# KiCad board panel.kicad_pcb (continued)
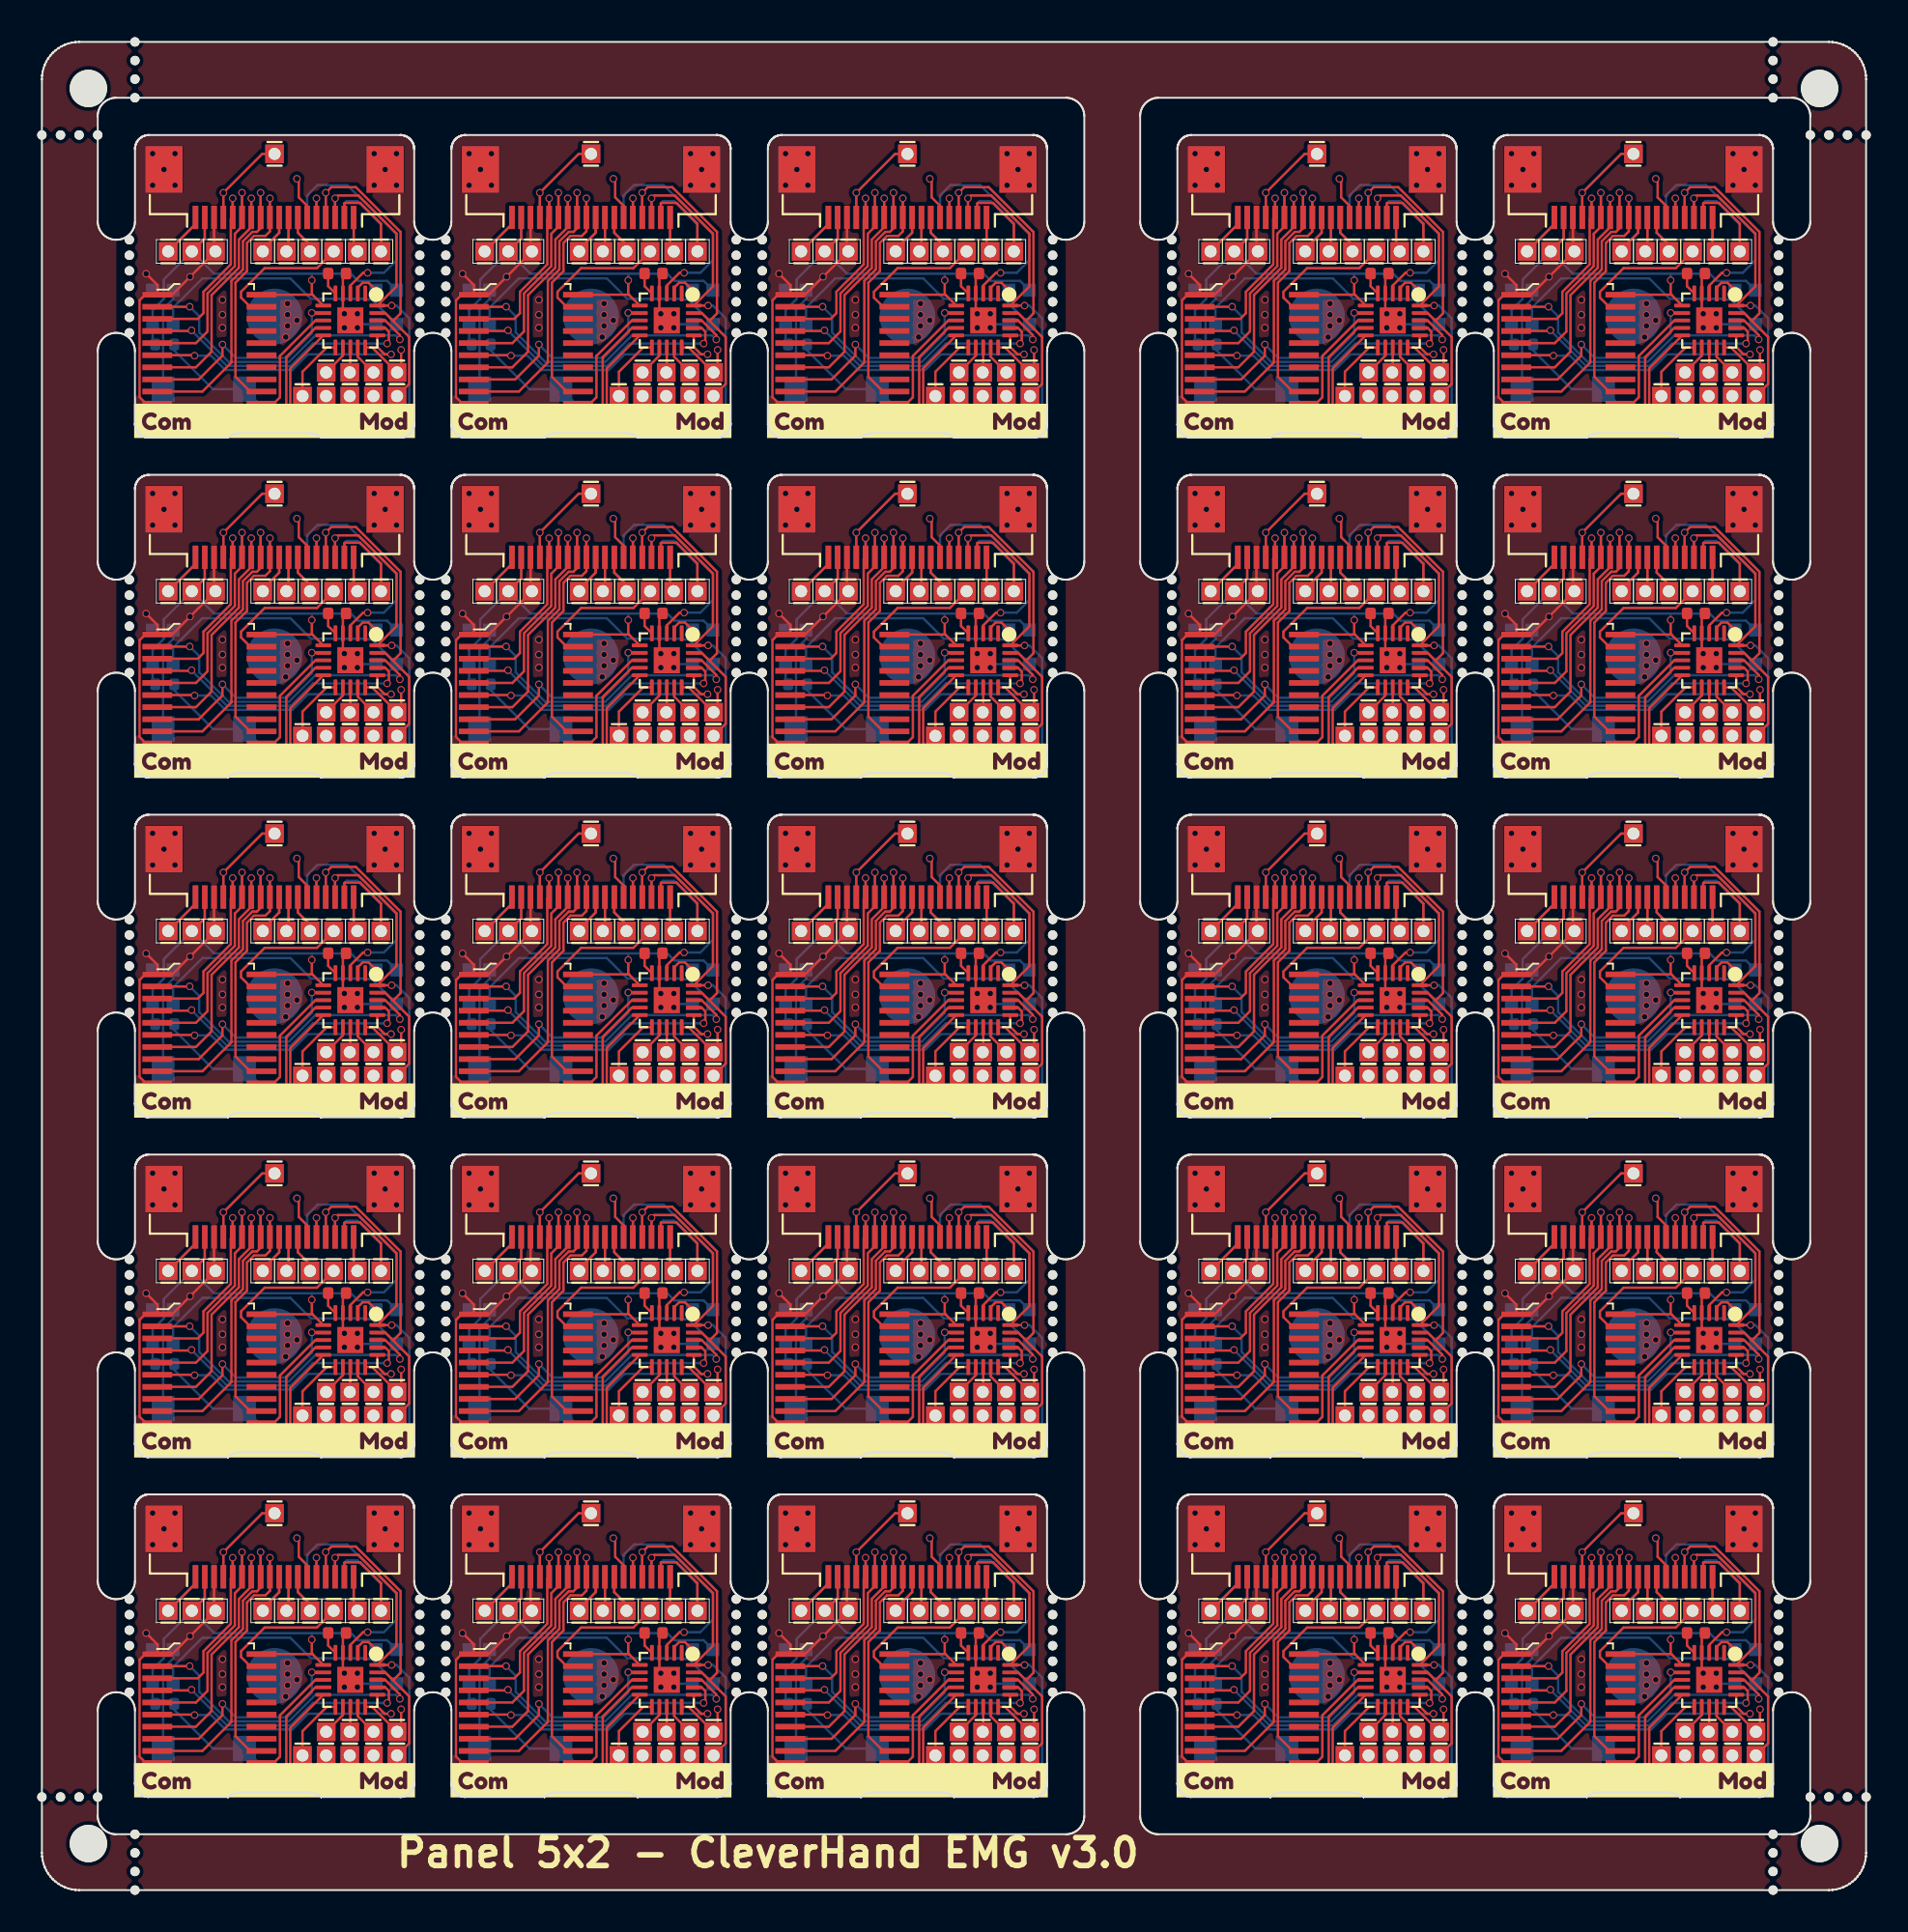
[diagram p0: board, top side]
## Routing (per net, layer and track width the routed paths; a pad name or vN(x,y) marks a point on that pad's centre or on a via; arc(x,y) is an arc through that point) (continued)
Board_9-/addr_mod_4: length 6.5
  Front w0.127: U1#14.8 87.69,66.04 85.79,64.14 85.79,61.92 85.45,61.58 U2#9.11
Board_9-/AIN0: length 3.6
  Front w0.127: U1#14.11 88.3,64.59 87,63.29 J18#23.1
Board_9-/AUX1: length 4.9
  Front w0.127: J10#17.18 81.25,71.22 J19#22.1
  Back w0.127: J10#17.18 81.25,71.22 J19#22.1
Board_9-/AUX2: length 9.4
  Front w0.127: J10#17.2 89.25,72.33 89.28,72.35 90.1,72.35 91.22,71.24 J20#17.1
  Back w0.127: J20#17.1 91.22,71.19 89.96,72.45 89.37,72.45 89.25,72.33 J10#17.2
Board_9-/AUX3: length 6.3
  Front w0.127: J3#2.1 84.84,74.99 v1(82.75,72.9) J10#17.15
  Back w0.127: v1(82.75,72.9) J10#17.15
Board_9-/CSB: length 7.5
  Front w0.127: J8#3.1 87.78,68.85 84.97,68.85 83.7,67.58 83.7,67.27 84.19,66.78 U2#9.19
Board_9-/extRef: length 3.8
  Front w0.127: J9#25.1 89.75,69.95 J10#17.1
  Back w0.127: J10#17.1 89.75,69.95 J9#25.1
Board_9-/GPIO: length 16.9
  Front w0.127: U1#14.10 86.35,63.47 86.35,61.34 86.36,61.33 87.62,61.33 J21#16.1
  Back w0.127: R1#9.2 80.11,64.43 82.19,62.35 SW1#18.1 84.91,61.33 87.62,61.33 J21#16.1
Board_9-/i2C_SCL: length 19.6
  Front w0.127: v1(91.79,66.84) U1#14.20 92.05,67.87 92.05,70.71 90.01,72.75 88.9,72.75 v1(88.75,72.6) J10#17.3
  Back w0.127: v1(91.79,66.84) 92.05,66.84 92.73,66.16 92.73,61.33 91.46,61.33 J16#13.1 ; v1(88.75,72.6) J10#17.3
Board_9-/I2C_SDA: length 18.4
  Front w0.127: J17#24.1 92.73,62.63 92.73,65.15 91.87,66.02 ; J10#17.4 v1(88.25,72.9) 88.55,73.2 89.86,73.2 92.27,70.8 92.27,66.42 91.87,66.02 ; U1#14.19 91.44,66.44 91.87,66.02
  Back w0.127: v1(88.25,72.9) J10#17.4
Board_9-/IO1_in: length 12.2
  Front w0.127: v1(90.5,68.6) 90.25,68.6 89.57,67.92 U1#14.3
  Back w0.127: v1(90.5,68.6) 91.37,68.6 92.05,69.28 92.05,70.66 89.4,73.31 87.81,73.31 87.25,72.75 J4#19.13
Board_9-/IO1_out: length 19.7
  Front w0.127: v1(86.7,73.65) 86.8,73.55 86.8,72.65 87.25,72.2 J10#17.6 ; U1#14.15 90.74,64.59 J11#18.1 92.3,63.47 v1(92.3,64.46)
  In2.Cu w0.127: v1(86.7,73.65) 86.9,73.85 89.65,73.85 92.64,70.86 92.64,64.8 v1(92.3,64.46)
Board_9-/IO2: length 2.1
  Front w0.127: v1(87.75,72.6) J10#17.5
  Back w0.127: J10#17.5 v1(87.75,72.6)
Board_9-/LED_IN: length 1.6
  Front w0.127: U1#14.2 89.97,67.8 90.23,68.07 90.55,68.07 v1(90.95,67.67)
Board_9-/MISO: length 4.4
  Front w0.127: J5#18.1 84.87,69.87 85.75,70.75 J10#17.9
  Back w0.127: J5#18.1 84.87,69.87 85.75,70.75 J10#17.9
Board_9-/MOSI: length 3.7
  Front w0.127: J10#17.8 86.25,69.87 J6#15.1
  Back w0.127: J10#17.8 86.25,69.87 J6#15.1
Board_9-/MOSI_ARM: length 1.4
  Front w0.127: J13#11.1 89.57,63.28 U1#14.13
Board_9-/SCLK: length 4.2
  Front w0.127: J7#15.1 87.41,70.1 86.75,70.75 J10#17.7
  Back w0.127: J10#17.7 86.75,70.75 87.41,70.1 J7#15.1
Board_9-/SCLK_ARM: length 1.7
  Front w0.127: U1#14.12 89.17,64.15 J14#21.1
Board_9-/SPICS_ARM: length 9.3
  Front w0.127: U1#14.9 87.69,65.64 86.13,64.07 86.13,61.25 86.27,61.11 88.67,61.11 J15#7.1
Board_9-/SWDIO/MISO_ARM: length 1.7
  Front w0.127: U1#14.14 89.97,64.09 J12#18.1
Board_9-/Vcap: length 1.2
  Front w0.127: C1#22.2 88.38,67.88 U1#14.5
Board_9-GND: length 27.5
  Front w0.127: C1#22.1 89.17,68.39 U1#14.4 89.17,66.44 89.21,66.4 v1(89.25,66.4) 89.25,66.36 U1#14.21 ; v1(78.6,68.55) 79.2,67.95 U2#9.1 ; U2#9.1 80,67.43 v1(80.96,68.39) J2#3.1 82.25,69.83 J10#17.16 ; U2#9.1 78.55,67.43 78.25,67.12 78.25,61.92 78.59,61.58 U2#9.10
  Back w0.127: J2#3.1 82.25,69.83 J10#17.16 ; SW1#18.2 79.51,66.65 80.05,67.19 LED2#4.2 80.24,67.67 v1(80.96,68.39) ; LED1#15.2 90.13,65.84 v1(89.95,65.65) 89.76,65.84 89.66,65.84
  vias: v1(78.95,75) v1(78.95,73.3) v1(79.56,74.15) v1(80.15,75) v1(80.15,73.3) v1(82.7,67.15) v1(82.7,66.35) v1(82.7,65.65) v1(86.1,65.15) v1(86.2,66.95) v1(86.2,66.35) v1(86.2,65.75) v1(86.7,66.05) v1(89.25,65.65) v1(89.95,66.4) v1(90.85,75) v1(90.85,73.3) v1(91.44,74.15) v1(92.05,75) v1(92.05,73.3)
Board_9-Net-(LED1-DO): length 14.6
  Back w0.127: LED2#4.3 80.05,66.73 81.62,68.3 86.35,68.3 87.45,67.2 90.45,67.2 90.48,67.16 90.72,67.16 LED1#15.1
Board_10-+3.3V: length 26.7
  Front w0.127: J1#24.1 8.75,52.2 J10#7.17 ; 14.55,49.16 14.53,49.18 U2#21.20 ; 14.55,49.16 U1#13.6 ; 14.55,49.16 14.5,49.21 v1(14.5,49.95)
  Back w0.127: R1#23.1 5.95,46.64 LED2#9.4 5.95,48.35 6.55,48.95 6.55,49.99 J1#24.1 ; J10#7.17 8.75,52.2 J1#24.1 ; J1#24.1 9.26,50.3 14.5,50.3 ; 14.5,50.3 16.6,50.3 16.98,49.92 18.55,49.92 LED1#11.4 ; 14.5,50.3 v1(14.5,49.95)
Board_10-/addr_bus_0: length 10.5
  Front w0.127: v1(10.25,54.35) J10#7.14 10.15,53.23 10.15,50.8 8.68,49.33 8.68,48.18 8.37,47.88 U2#21.3
  Back w0.127: J10#7.14 v1(10.25,54.35)
Board_10-/addr_bus_1: length 12.5
  Front w0.127: U2#21.5 8.27,46.58 8.9,47.2 8.9,49.24 10.37,50.71 10.37,52.45 10.75,52.83 J10#7.13 v1(10.75,54.65)
  Back w0.127: J10#7.13 v1(10.75,54.65)
Board_10-/addr_bus_2: length 13.4
  Front w0.127: U2#21.7 8.27,45.28 9.12,46.12 9.12,49.15 10.58,50.62 10.58,52.13 11.25,52.8 J10#7.12 v1(11.25,54.35)
  Back w0.127: J10#7.12 v1(11.25,54.35)
Board_10-/addr_bus_3: length 15.9
  Front w0.127: U2#21.9 8.62,43.98 10.18,45.53 10.18,49.91 10.8,50.53 10.8,52.04 11.3,52.55 11.55,52.55 11.75,52.74 J10#7.11 v1(11.75,54.65)
  Back w0.127: J10#7.11 v1(11.75,54.65)
Board_10-/addr_bus_4: length 13.5
  Front w0.127: U2#21.12 11.19,43.98 10.4,44.77 10.4,49.82 11.02,50.44 11.02,51.95 11.39,52.33 12.01,52.33 12.25,52.57 J10#7.10 v1(12.25,54.35)
  Back w0.127: J10#7.10 v1(12.25,54.35)
Board_10-/addr_mod_0: length 17.2
  Front w0.127: v1(7.94,48.53) 7.93,48.53 U2#21.2 ; v1(19.23,46.77) 19.23,47.01 18.44,47.79 U1#13.18
  Back w0.127: v1(19.23,46.77) 19.01,46.99 14.69,46.99 13.27,45.56 10.04,45.56 8.45,47.15 8.45,48.02 v1(7.94,48.53)
Board_10-/addr_mod_1: length 15
  Front w0.127: v1(18.55,46.55) 18.55,46.61 18.64,46.7 18.64,47.2 18.44,47.39 U1#13.17 ; v1(8.04,47.26) 8,47.23 U2#21.4
  Back w0.127: v1(8.04,47.26) 8.04,47.25 9.95,45.35 13.36,45.35 14.56,46.55 v1(18.55,46.55)
Board_10-/addr_mod_2: length 14.8
  Front w0.127: v1(8.2,45.9) 8.17,45.93 U2#21.6 ; v1(18.76,45.97) 18.42,45.97 18.02,46.37 U1#13.16
  Back w0.127: v1(18.76,45.97) 14.29,45.97 13.45,45.13 9.86,45.13 9.09,45.9 v1(8.2,45.9)
Board_10-/addr_mod_3: length 12
  Front w0.127: v1(9.7,46.5) 9.7,45.9 8.42,44.63 U2#21.8 ; U1#13.7 14.69,48.19 14.68,48.2 v1(14.5,48.2)
  Back w0.127: v1(14.5,48.2) 14.5,47.1 13.18,45.78 10.42,45.78 v1(9.7,46.5)
Board_10-/addr_mod_4: length 6.5
  Front w0.127: U1#13.8 14.69,47.79 12.79,45.89 12.79,43.67 12.45,43.33 U2#21.11
Board_10-/AIN0: length 3.6
  Front w0.127: U1#13.11 15.3,46.34 14,45.04 J18#11.1
Board_10-/AUX1: length 4.9
  Front w0.127: J10#7.18 8.25,52.97 J19#20.1
  Back w0.127: J19#20.1 8.25,52.97 J10#7.18
Board_10-/AUX2: length 9.4
  Front w0.127: J10#7.2 16.25,54.08 16.28,54.1 17.1,54.1 18.21,52.99 J20#25.1
  Back w0.127: J10#7.2 16.25,54.08 16.37,54.2 16.96,54.2 18.21,52.94 J20#25.1
Board_10-/AUX3: length 6.3
  Front w0.127: J3#9.1 11.84,56.74 v1(9.75,54.65) J10#7.15
  Back w0.127: v1(9.75,54.65) J10#7.15
Board_10-/CSB: length 7.5
  Front w0.127: J8#17.1 14.77,50.6 11.97,50.6 10.7,49.33 10.7,49.02 11.19,48.53 U2#21.19
Board_10-/extRef: length 3.8
  Front w0.127: J10#7.1 16.75,51.7 J9#4.1
  Back w0.127: J9#4.1 16.75,51.7 J10#7.1
Board_10-/GPIO: length 16.9
  Front w0.127: J21#9.1 14.62,43.08 13.36,43.08 13.35,43.09 13.35,45.22 U1#13.10
  Back w0.127: R1#23.2 7.11,46.18 9.19,44.1 SW1.1 11.91,43.08 14.62,43.08 J21#9.1
Board_10-/i2C_SCL: length 19.6
  Front w0.127: J10#7.3 v1(15.75,54.35) 15.9,54.5 17.01,54.5 19.05,52.46 19.05,49.62 U1#13.20 v1(18.79,48.59)
  Back w0.127: J16.1 18.46,43.08 19.73,43.08 19.73,47.91 19.05,48.59 v1(18.79,48.59) ; v1(15.75,54.35) J10#7.3
Board_10-/I2C_SDA: length 18.4
  Front w0.127: 18.87,47.77 19.27,48.17 19.27,52.55 16.86,54.95 15.55,54.95 v1(15.25,54.65) J10#7.4 ; 18.87,47.77 19.73,46.9 19.73,44.38 J17#3.1 ; 18.87,47.77 18.44,48.19 U1#13.19
  Back w0.127: v1(15.25,54.65) J10#7.4
Board_10-/IO1_in: length 12.2
  Front w0.127: U1#13.3 16.57,49.67 17.25,50.35 v1(17.5,50.35)
  Back w0.127: v1(17.5,50.35) 18.37,50.35 19.05,51.03 19.05,52.41 16.4,55.06 14.81,55.06 14.25,54.5 J4#20.13
Board_10-/IO1_out: length 19.7
  Front w0.127: J10#7.6 14.25,53.95 13.8,54.4 13.8,55.3 v1(13.7,55.4) ; U1#13.15 17.74,46.34 J11#12.1 19.3,45.22 v1(19.3,46.21)
  In2.Cu w0.127: v1(19.3,46.21) 19.64,46.55 19.64,52.61 16.65,55.6 13.9,55.6 v1(13.7,55.4)
Board_10-/IO2: length 2.1
  Front w0.127: v1(14.75,54.35) J10#7.5
  Back w0.127: J10#7.5 v1(14.75,54.35)
Board_10-/LED_IN: length 1.6
  Front w0.127: v1(17.95,49.42) 17.55,49.82 17.23,49.82 16.97,49.55 U1#13.2
Board_10-/MISO: length 4.4
  Front w0.127: J10#7.9 12.75,52.5 11.87,51.62 J5#16.1
  Back w0.127: J5#16.1 11.87,51.62 12.75,52.5 J10#7.9
Board_10-/MOSI: length 3.7
  Front w0.127: J6#24.1 13.25,51.62 J10#7.8
  Back w0.127: J10#7.8 13.25,51.62 J6#24.1
Board_10-/MOSI_ARM: length 1.4
  Front w0.127: U1#13.13 16.57,45.03 J13#10.1
Board_10-/SCLK: length 4.2
  Front w0.127: J7#17.1 14.41,51.85 13.75,52.5 J10#7.7
  Back w0.127: J10#7.7 13.75,52.5 14.41,51.85 J7#17.1
Board_10-/SCLK_ARM: length 1.7
  Front w0.127: J14#20.1 16.17,45.9 U1#13.12
Board_10-/SPICS_ARM: length 9.3
  Front w0.127: U1#13.9 14.69,47.39 13.13,45.82 13.13,43 13.27,42.86 15.67,42.86 J15#22.1
Board_10-/SWDIO/MISO_ARM: length 1.7
  Front w0.127: U1#13.14 16.97,45.84 J12#16.1
Board_10-/Vcap: length 1.2
  Front w0.127: U1#13.5 15.38,49.63 C1#9.2
Board_10-GND: length 27.5
  Front w0.127: U2#21.1 5.55,49.18 5.25,48.87 5.25,43.67 5.59,43.33 U2#21.10 ; U2#21.1 7,49.18 v1(7.96,50.14) J2#6.1 9.25,51.58 J10#7.16 ; U2#21.1 6.2,49.7 v1(5.6,50.3) ; C1#9.1 16.17,50.14 U1#13.4 16.17,48.19 16.21,48.15 v1(16.25,48.15) 16.25,48.11 U1#13.21
  Back w0.127: J10#7.16 9.25,51.58 J2#6.1 ; SW1.2 6.51,48.4 7.05,48.94 LED2#9.2 7.24,49.42 v1(7.96,50.14) ; 16.66,47.59 16.76,47.59 v1(16.95,47.4) 17.13,47.59 LED1#11.2
  vias: v1(5.95,56.75) v1(5.95,55.05) v1(6.56,55.9) v1(7.15,56.75) v1(7.15,55.05) v1(9.7,48.9) v1(9.7,48.1) v1(9.7,47.4) v1(13.1,46.9) v1(13.2,48.7) v1(13.2,48.1) v1(13.2,47.5) v1(13.7,47.8) v1(16.25,47.4) v1(16.95,48.15) v1(17.85,56.75) v1(17.85,55.05) v1(18.44,55.9) v1(19.05,56.75) v1(19.05,55.05)
Board_10-Net-(LED1-DO): length 14.6
  Back w0.127: LED1#11.1 17.72,48.91 17.48,48.91 17.45,48.95 14.45,48.95 13.35,50.05 8.62,50.05 7.05,48.48 LED2#9.3
Board_11-+3.3V: length 26.7
  Front w0.127: v1(31.5,49.95) 31.5,49.21 31.55,49.16 ; U1#7.6 31.55,49.16 ; 31.55,49.16 31.53,49.18 U2#20.20 ; J10#19.17 25.75,52.2 J1#18.1
  Back w0.127: LED1#12.4 35.55,49.92 33.98,49.92 33.6,50.3 31.5,50.3 ; 31.5,50.3 26.25,50.3 J1#18.1 ; 31.5,50.3 v1(31.5,49.95) ; J1#18.1 25.75,52.2 J10#19.17 ; J1#18.1 23.55,49.99 23.55,48.95 22.95,48.35 LED2#5.4 22.95,46.64 R1#6.1
Board_11-/addr_bus_0: length 10.5
  Front w0.127: U2#20.3 25.37,47.88 25.68,48.18 25.68,49.33 27.15,50.8 27.15,53.23 J10#19.14 v1(27.25,54.35)
  Back w0.127: J10#19.14 v1(27.25,54.35)
Board_11-/addr_bus_1: length 12.5
  Front w0.127: U2#20.5 25.27,46.58 25.9,47.2 25.9,49.24 27.37,50.71 27.37,52.45 27.75,52.83 J10#19.13 v1(27.75,54.65)
  Back w0.127: J10#19.13 v1(27.75,54.65)
Board_11-/addr_bus_2: length 13.4
  Front w0.127: v1(28.25,54.35) J10#19.12 28.25,52.8 27.58,52.13 27.58,50.62 26.12,49.15 26.12,46.12 25.27,45.28 U2#20.7
  Back w0.127: J10#19.12 v1(28.25,54.35)
Board_11-/addr_bus_3: length 15.9
  Front w0.127: U2#20.9 25.62,43.98 27.18,45.53 27.18,49.91 27.8,50.53 27.8,52.04 28.3,52.55 28.55,52.55 28.75,52.74 J10#19.11 v1(28.75,54.65)
  Back w0.127: J10#19.11 v1(28.75,54.65)
Board_11-/addr_bus_4: length 13.5
  Front w0.127: v1(29.25,54.35) J10#19.10 29.25,52.57 29.01,52.33 28.39,52.33 28.02,51.95 28.02,50.44 27.4,49.82 27.4,44.77 28.19,43.98 U2#20.12
  Back w0.127: J10#19.10 v1(29.25,54.35)
Board_11-/addr_mod_0: length 17.2
  Front w0.127: v1(24.94,48.53) 24.93,48.53 U2#20.2 ; v1(36.23,46.77) 36.23,47.01 35.44,47.79 U1#7.18
  Back w0.127: v1(36.23,46.77) 36.01,46.99 31.69,46.99 30.27,45.56 27.04,45.56 25.45,47.15 25.45,48.02 v1(24.94,48.53)
Board_11-/addr_mod_1: length 15
  Front w0.127: U1#7.17 35.44,47.39 35.64,47.2 35.64,46.7 35.55,46.61 v1(35.55,46.55) ; U2#20.4 25,47.23 v1(25.04,47.26)
  Back w0.127: v1(35.55,46.55) 31.56,46.55 30.36,45.35 26.95,45.35 25.04,47.25 v1(25.04,47.26)
Board_11-/addr_mod_2: length 14.8
  Front w0.127: U1#7.16 35.02,46.37 35.42,45.97 v1(35.76,45.97) ; U2#20.6 25.17,45.93 v1(25.2,45.9)
  Back w0.127: v1(35.76,45.97) 31.29,45.97 30.45,45.13 26.86,45.13 26.09,45.9 v1(25.2,45.9)
Board_11-/addr_mod_3: length 12
  Front w0.127: v1(31.5,48.2) 31.68,48.2 31.69,48.19 U1#7.7 ; v1(26.7,46.5) 26.7,45.9 25.42,44.63 U2#20.8
  Back w0.127: v1(26.7,46.5) 27.42,45.78 30.18,45.78 31.5,47.1 v1(31.5,48.2)
Board_11-/addr_mod_4: length 6.5
  Front w0.127: U1#7.8 31.69,47.79 29.79,45.89 29.79,43.67 29.45,43.33 U2#20.11
Board_11-/AIN0: length 3.6
  Front w0.127: U1#7.11 32.3,46.34 31,45.04 J18#25.1
Board_11-/AUX1: length 4.9
  Front w0.127: J19#11.1 25.25,52.97 J10#19.18
  Back w0.127: J19#11.1 25.25,52.97 J10#19.18
Board_11-/AUX2: length 9.4
  Front w0.127: J20#2.1 35.22,52.99 34.1,54.1 33.28,54.1 33.25,54.08 J10#19.2
  Back w0.127: J20#2.1 35.22,52.94 33.96,54.2 33.37,54.2 33.25,54.08 J10#19.2
Board_11-/AUX3: length 6.3
  Front w0.127: J3#18.1 28.84,56.74 v1(26.75,54.65) J10#19.15
  Back w0.127: v1(26.75,54.65) J10#19.15
Board_11-/CSB: length 7.5
  Front w0.127: U2#20.19 28.19,48.53 27.7,49.02 27.7,49.33 28.97,50.6 31.77,50.6 J8.1
Board_11-/extRef: length 3.8
  Front w0.127: J9#7.1 33.75,51.7 J10#19.1
  Back w0.127: J9#7.1 33.75,51.7 J10#19.1
Board_11-/GPIO: length 16.9
  Front w0.127: J21#25.1 31.62,43.08 30.36,43.08 30.35,43.09 30.35,45.22 U1#7.10
  Back w0.127: R1#6.2 24.11,46.18 26.19,44.1 SW1#20.1 28.91,43.08 31.62,43.08 J21#25.1
Board_11-/i2C_SCL: length 19.6
  Front w0.127: v1(35.79,48.59) U1#7.20 36.05,49.62 36.05,52.46 34.01,54.5 32.9,54.5 v1(32.75,54.35) J10#19.3
  Back w0.127: v1(35.79,48.59) 36.05,48.59 36.73,47.91 36.73,43.08 35.46,43.08 J16#21.1 ; v1(32.75,54.35) J10#19.3
Board_11-/I2C_SDA: length 18.4
  Front w0.127: J17#6.1 36.73,44.38 36.73,46.9 35.87,47.77 ; 35.87,47.77 35.44,48.19 U1#7.19 ; 35.87,47.77 36.27,48.17 36.27,52.55 33.86,54.95 32.55,54.95 v1(32.25,54.65) J10#19.4
  Back w0.127: v1(32.25,54.65) J10#19.4
Board_11-/IO1_in: length 12.2
  Front w0.127: U1#7.3 33.57,49.67 34.25,50.35 v1(34.5,50.35)
  Back w0.127: v1(34.5,50.35) 35.37,50.35 36.05,51.03 36.05,52.41 33.4,55.06 31.81,55.06 31.25,54.5 J4#9.13
Board_11-/IO1_out: length 19.7
  Front w0.127: U1#7.15 34.74,46.34 J11#3.1 36.3,45.22 v1(36.3,46.21) ; v1(30.7,55.4) 30.8,55.3 30.8,54.4 31.25,53.95 J10#19.6
  In2.Cu w0.127: v1(30.7,55.4) 30.9,55.6 33.65,55.6 36.64,52.61 36.64,46.55 v1(36.3,46.21)
Board_11-/IO2: length 2.1
  Front w0.127: v1(31.75,54.35) J10#19.5
  Back w0.127: J10#19.5 v1(31.75,54.35)
Board_11-/LED_IN: length 1.6
  Front w0.127: U1#7.2 33.97,49.55 34.23,49.82 34.55,49.82 v1(34.95,49.42)
Board_11-/MISO: length 4.4
  Front w0.127: J10#19.9 29.75,52.5 28.86,51.62 J5#11.1
  Back w0.127: J10#19.9 29.75,52.5 28.86,51.62 J5#11.1
Board_11-/MOSI: length 3.7
  Front w0.127: J6.1 30.25,51.62 J10#19.8
  Back w0.127: J6.1 30.25,51.62 J10#19.8
Board_11-/MOSI_ARM: length 1.4
  Front w0.127: J13#19.1 33.57,45.03 U1#7.13
Board_11-/SCLK: length 4.2
  Front w0.127: J7#19.1 31.41,51.85 30.75,52.5 J10#19.7
  Back w0.127: J10#19.7 30.75,52.5 31.41,51.85 J7#19.1
Board_11-/SCLK_ARM: length 1.7
  Front w0.127: J14#23.1 33.17,45.9 U1#7.12
Board_11-/SPICS_ARM: length 9.3
  Front w0.127: J15#16.1 32.67,42.86 30.27,42.86 30.13,43 30.13,45.82 31.69,47.39 U1#7.9
Board_11-/SWDIO/MISO_ARM: length 1.7
  Front w0.127: J12#13.1 33.97,45.84 U1#7.14
Board_11-/Vcap: length 1.2
  Front w0.127: U1#7.5 32.38,49.63 C1#13.2
Board_11-GND: length 27.5
  Front w0.127: J10#19.16 26.25,51.58 J2#22.1 v1(24.96,50.14) 24,49.18 U2#20.1 ; C1#13.1 33.17,50.14 U1#7.4 33.17,48.19 33.21,48.15 v1(33.25,48.15) 33.25,48.11 U1#7.21 ; v1(22.6,50.3) 23.2,49.7 U2#20.1 ; U2#20.1 22.55,49.18 22.25,48.87 22.25,43.67 22.59,43.33 U2#20.10
  Back w0.127: LED1#12.2 34.13,47.59 v1(33.95,47.4) 33.76,47.59 33.66,47.59 ; v1(24.96,50.14) 24.24,49.42 LED2#5.2 24.05,48.94 23.51,48.4 SW1#20.2 ; J2#22.1 26.25,51.58 J10#19.16
  vias: v1(22.95,56.75) v1(22.95,55.05) v1(23.56,55.9) v1(24.15,56.75) v1(24.15,55.05) v1(26.7,48.9) v1(26.7,48.1) v1(26.7,47.4) v1(30.1,46.9) v1(30.2,48.7) v1(30.2,48.1) v1(30.2,47.5) v1(30.7,47.8) v1(33.25,47.4) v1(33.95,48.15) v1(34.85,56.75) v1(34.85,55.05) v1(35.44,55.9) v1(36.05,56.75) v1(36.05,55.05)
Board_11-Net-(LED1-DO): length 14.6
  Back w0.127: LED1#12.1 34.72,48.91 34.48,48.91 34.45,48.95 31.45,48.95 30.35,50.05 25.62,50.05 24.05,48.48 LED2#5.3
Board_12-+3.3V: length 26.7
  Front w0.127: 48.55,49.16 48.5,49.21 v1(48.5,49.95) ; 48.55,49.16 U1#25.6 ; 48.55,49.16 48.53,49.18 U2#22.20 ; J10#12.17 42.75,52.2 J1#16.1
  Back w0.127: J1#16.1 40.55,49.99 40.55,48.95 39.95,48.35 LED2#21.4 39.95,46.64 R1#16.1 ; J1#16.1 42.75,52.2 J10#12.17 ; J1#16.1 43.26,50.3 48.5,50.3 ; 48.5,50.3 50.6,50.3 50.98,49.92 52.55,49.92 LED1#5.4 ; 48.5,50.3 v1(48.5,49.95)
Board_12-/addr_bus_0: length 10.5
  Front w0.127: v1(44.25,54.35) J10#12.14 44.15,53.23 44.15,50.8 42.68,49.33 42.68,48.18 42.37,47.88 U2#22.3
  Back w0.127: J10#12.14 v1(44.25,54.35)
Board_12-/addr_bus_1: length 12.5
  Front w0.127: v1(44.75,54.65) J10#12.13 44.75,52.83 44.37,52.45 44.37,50.71 42.9,49.24 42.9,47.2 42.27,46.58 U2#22.5
  Back w0.127: J10#12.13 v1(44.75,54.65)
Board_12-/addr_bus_2: length 13.4
  Front w0.127: U2#22.7 42.27,45.28 43.12,46.12 43.12,49.15 44.58,50.62 44.58,52.13 45.25,52.8 J10#12.12 v1(45.25,54.35)
  Back w0.127: J10#12.12 v1(45.25,54.35)
Board_12-/addr_bus_3: length 15.9
  Front w0.127: v1(45.75,54.65) J10#12.11 45.75,52.74 45.55,52.55 45.3,52.55 44.8,52.04 44.8,50.53 44.18,49.91 44.18,45.53 42.62,43.98 U2#22.9
  Back w0.127: J10#12.11 v1(45.75,54.65)
Board_12-/addr_bus_4: length 13.5
  Front w0.127: v1(46.25,54.35) J10#12.10 46.25,52.57 46.01,52.33 45.39,52.33 45.02,51.95 45.02,50.44 44.4,49.82 44.4,44.77 45.19,43.98 U2#22.12
  Back w0.127: J10#12.10 v1(46.25,54.35)
Board_12-/addr_mod_0: length 17.2
  Front w0.127: U2#22.2 41.93,48.53 v1(41.94,48.53) ; U1#25.18 52.44,47.79 53.23,47.01 v1(53.23,46.77)
  Back w0.127: v1(41.94,48.53) 42.45,48.02 42.45,47.15 44.04,45.56 47.27,45.56 48.69,46.99 53.01,46.99 v1(53.23,46.77)
Board_12-/addr_mod_1: length 15
  Front w0.127: v1(52.55,46.55) 52.55,46.61 52.64,46.7 52.64,47.2 52.44,47.39 U1#25.17 ; v1(42.04,47.26) 42,47.23 U2#22.4
  Back w0.127: v1(42.04,47.26) 42.04,47.25 43.95,45.35 47.36,45.35 48.56,46.55 v1(52.55,46.55)
Board_12-/addr_mod_2: length 14.8
  Front w0.127: v1(42.2,45.9) 42.17,45.93 U2#22.6 ; U1#25.16 52.02,46.37 52.42,45.97 v1(52.76,45.97)
  Back w0.127: v1(42.2,45.9) 43.09,45.9 43.86,45.13 47.45,45.13 48.29,45.97 v1(52.76,45.97)
Board_12-/addr_mod_3: length 12
  Front w0.127: U1#25.7 48.69,48.19 48.68,48.2 v1(48.5,48.2) ; v1(43.7,46.5) 43.7,45.9 42.42,44.63 U2#22.8
  Back w0.127: v1(43.7,46.5) 44.42,45.78 47.18,45.78 48.5,47.1 v1(48.5,48.2)
Board_12-/addr_mod_4: length 6.5
  Front w0.127: U2#22.11 46.45,43.33 46.79,43.67 46.79,45.89 48.69,47.79 U1#25.8
Board_12-/AIN0: length 3.6
  Front w0.127: U1#25.11 49.3,46.34 48,45.04 J18#3.1
Board_12-/AUX1: length 4.9
  Front w0.127: J19#9.1 42.25,52.97 J10#12.18
  Back w0.127: J10#12.18 42.25,52.97 J19#9.1
Board_12-/AUX2: length 9.4
  Front w0.127: J10#12.2 50.25,54.08 50.28,54.1 51.1,54.1 52.22,52.99 J20#8.1
  Back w0.127: J10#12.2 50.25,54.08 50.37,54.2 50.96,54.2 52.22,52.94 J20#8.1
Board_12-/AUX3: length 6.3
  Front w0.127: J10#12.15 v1(43.75,54.65) 45.84,56.74 J3#15.1
  Back w0.127: v1(43.75,54.65) J10#12.15
Board_12-/CSB: length 7.5
  Front w0.127: U2#22.19 45.19,48.53 44.7,49.02 44.7,49.33 45.97,50.6 48.77,50.6 J8#13.1
Board_12-/extRef: length 3.8
  Front w0.127: J9#6.1 50.75,51.7 J10#12.1
  Back w0.127: J9#6.1 50.75,51.7 J10#12.1
Board_12-/GPIO: length 16.9
  Front w0.127: J21#21.1 48.62,43.08 47.36,43.08 47.35,43.09 47.35,45.22 U1#25.10
  Back w0.127: J21#21.1 48.62,43.08 45.91,43.08 SW1#11.1 43.19,44.1 41.11,46.18 R1#16.2
Board_12-/i2C_SCL: length 19.6
  Front w0.127: v1(52.79,48.59) U1#25.20 53.05,49.62 53.05,52.46 51.01,54.5 49.9,54.5 v1(49.75,54.35) J10#12.3
  Back w0.127: v1(49.75,54.35) J10#12.3 ; J16#3.1 52.46,43.08 53.73,43.08 53.73,47.91 53.05,48.59 v1(52.79,48.59)
Board_12-/I2C_SDA: length 18.4
  Front w0.127: 52.87,47.77 53.73,46.9 53.73,44.38 J17#7.1 ; 52.87,47.77 52.44,48.19 U1#25.19 ; 52.87,47.77 53.27,48.17 53.27,52.55 50.86,54.95 49.55,54.95 v1(49.25,54.65) J10#12.4
  Back w0.127: v1(49.25,54.65) J10#12.4
Board_12-/IO1_in: length 12.2
  Front w0.127: U1#25.3 50.57,49.67 51.25,50.35 v1(51.5,50.35)
  Back w0.127: v1(51.5,50.35) 52.37,50.35 53.05,51.03 53.05,52.41 50.4,55.06 48.81,55.06 48.25,54.5 J4#7.13
Board_12-/IO1_out: length 19.7
  Front w0.127: U1#25.15 51.74,46.34 J11#14.1 53.3,45.22 v1(53.3,46.21) ; J10#12.6 48.25,53.95 47.8,54.4 47.8,55.3 v1(47.7,55.4)
  In2.Cu w0.127: v1(47.7,55.4) 47.9,55.6 50.65,55.6 53.64,52.61 53.64,46.55 v1(53.3,46.21)
Board_12-/IO2: length 2.1
  Front w0.127: v1(48.75,54.35) J10#12.5
  Back w0.127: J10#12.5 v1(48.75,54.35)
Board_12-/LED_IN: length 1.6
  Front w0.127: v1(51.95,49.42) 51.55,49.82 51.23,49.82 50.97,49.55 U1#25.2
Board_12-/MISO: length 4.4
  Front w0.127: J10#12.9 46.75,52.5 45.87,51.62 J5.1
  Back w0.127: J10#12.9 46.75,52.5 45.87,51.62 J5.1
Board_12-/MOSI: length 3.7
  Front w0.127: J10#12.8 47.25,51.62 J6#11.1
  Back w0.127: J6#11.1 47.25,51.62 J10#12.8
Board_12-/MOSI_ARM: length 1.4
  Front w0.127: J13#15.1 50.57,45.03 U1#25.13
Board_12-/SCLK: length 4.2
  Front w0.127: J7#13.1 48.41,51.85 47.75,52.5 J10#12.7
  Back w0.127: J10#12.7 47.75,52.5 48.41,51.85 J7#13.1
Board_12-/SCLK_ARM: length 1.7
  Front w0.127: U1#25.12 50.17,45.9 J14#16.1
Board_12-/SPICS_ARM: length 9.3
  Front w0.127: U1#25.9 48.69,47.39 47.13,45.82 47.13,43 47.27,42.86 49.67,42.86 J15#13.1
Board_12-/SWDIO/MISO_ARM: length 1.7
  Front w0.127: U1#25.14 50.97,45.84 J12#14.1
Board_12-/Vcap: length 1.2
  Front w0.127: U1#25.5 49.38,49.63 C1#5.2
Board_12-GND: length 27.5
  Front w0.127: U2#22.10 39.59,43.33 39.25,43.67 39.25,48.87 39.55,49.18 U2#22.1 ; v1(39.6,50.3) 40.2,49.7 U2#22.1 ; U2#22.1 41,49.18 v1(41.96,50.14) J2#11.1 43.25,51.58 J10#12.16 ; C1#5.1 50.17,50.14 U1#25.4 50.17,48.19 50.21,48.15 v1(50.25,48.15) 50.25,48.11 U1#25.21
  Back w0.127: v1(41.96,50.14) 41.24,49.42 LED2#21.2 41.05,48.94 40.51,48.4 SW1#11.2 ; J10#12.16 43.25,51.58 J2#11.1 ; 50.66,47.59 50.76,47.59 v1(50.95,47.4) 51.13,47.59 LED1#5.2
  vias: v1(39.95,56.75) v1(39.95,55.05) v1(40.56,55.9) v1(41.15,56.75) v1(41.15,55.05) v1(43.7,48.9) v1(43.7,48.1) v1(43.7,47.4) v1(47.1,46.9) v1(47.2,48.7) v1(47.2,48.1) v1(47.2,47.5) v1(47.7,47.8) v1(50.25,47.4) v1(50.95,48.15) v1(51.85,56.75) v1(51.85,55.05) v1(52.44,55.9) v1(53.05,56.75) v1(53.05,55.05)
Board_12-Net-(LED1-DO): length 14.6
  Back w0.127: LED1#5.1 51.72,48.91 51.48,48.91 51.45,48.95 48.45,48.95 47.35,50.05 42.62,50.05 41.05,48.48 LED2#21.3
Board_13-+3.3V: length 26.7
  Front w0.127: 70.55,49.16 70.5,49.21 v1(70.5,49.95) ; 70.55,49.16 70.53,49.18 U2#3.20 ; 70.55,49.16 U1#6.6 ; J10#9.17 64.75,52.2 J1#10.1
  Back w0.127: 70.5,50.3 65.25,50.3 J1#10.1 ; 70.5,50.3 v1(70.5,49.95) ; 70.5,50.3 72.6,50.3 72.98,49.92 74.55,49.92 LED1#8.4 ; R1#25.1 61.95,46.64 LED2#20.4 61.95,48.35 62.55,48.95 62.55,49.99 J1#10.1 ; J1#10.1 64.75,52.2 J10#9.17
Board_13-/addr_bus_0: length 10.5
  Front w0.127: U2#3.3 64.37,47.88 64.68,48.18 64.68,49.33 66.15,50.8 66.15,53.23 J10#9.14 v1(66.25,54.35)
  Back w0.127: J10#9.14 v1(66.25,54.35)
Board_13-/addr_bus_1: length 12.5
  Front w0.127: U2#3.5 64.27,46.58 64.9,47.2 64.9,49.24 66.37,50.71 66.37,52.45 66.75,52.83 J10#9.13 v1(66.75,54.65)
  Back w0.127: J10#9.13 v1(66.75,54.65)
Board_13-/addr_bus_2: length 13.4
  Front w0.127: U2#3.7 64.27,45.28 65.12,46.12 65.12,49.15 66.58,50.62 66.58,52.13 67.25,52.8 J10#9.12 v1(67.25,54.35)
  Back w0.127: J10#9.12 v1(67.25,54.35)
Board_13-/addr_bus_3: length 15.9
  Front w0.127: U2#3.9 64.62,43.98 66.18,45.53 66.18,49.91 66.8,50.53 66.8,52.04 67.3,52.55 67.55,52.55 67.75,52.74 J10#9.11 v1(67.75,54.65)
  Back w0.127: J10#9.11 v1(67.75,54.65)
Board_13-/addr_bus_4: length 13.5
  Front w0.127: U2#3.12 67.19,43.98 66.4,44.77 66.4,49.82 67.02,50.44 67.02,51.95 67.39,52.33 68.01,52.33 68.25,52.57 J10#9.10 v1(68.25,54.35)
  Back w0.127: J10#9.10 v1(68.25,54.35)
Board_13-/addr_mod_0: length 17.2
  Front w0.127: v1(63.94,48.53) 63.93,48.53 U2#3.2 ; v1(75.23,46.77) 75.23,47.01 74.44,47.79 U1#6.18
  Back w0.127: v1(75.23,46.77) 75.01,46.99 70.69,46.99 69.27,45.56 66.04,45.56 64.45,47.15 64.45,48.02 v1(63.94,48.53)
Board_13-/addr_mod_1: length 15
  Front w0.127: U2#3.4 64,47.23 v1(64.04,47.26) ; U1#6.17 74.44,47.39 74.64,47.2 74.64,46.7 74.55,46.61 v1(74.55,46.55)
  Back w0.127: v1(64.04,47.26) 64.04,47.25 65.95,45.35 69.36,45.35 70.56,46.55 v1(74.55,46.55)
Board_13-/addr_mod_2: length 14.8
  Front w0.127: v1(64.2,45.9) 64.17,45.93 U2#3.6 ; U1#6.16 74.02,46.37 74.42,45.97 v1(74.76,45.97)
  Back w0.127: v1(64.2,45.9) 65.09,45.9 65.86,45.13 69.45,45.13 70.29,45.97 v1(74.76,45.97)
